# Altium PCB PCB_power.PcbDoc (part 1 of 2) (continued)
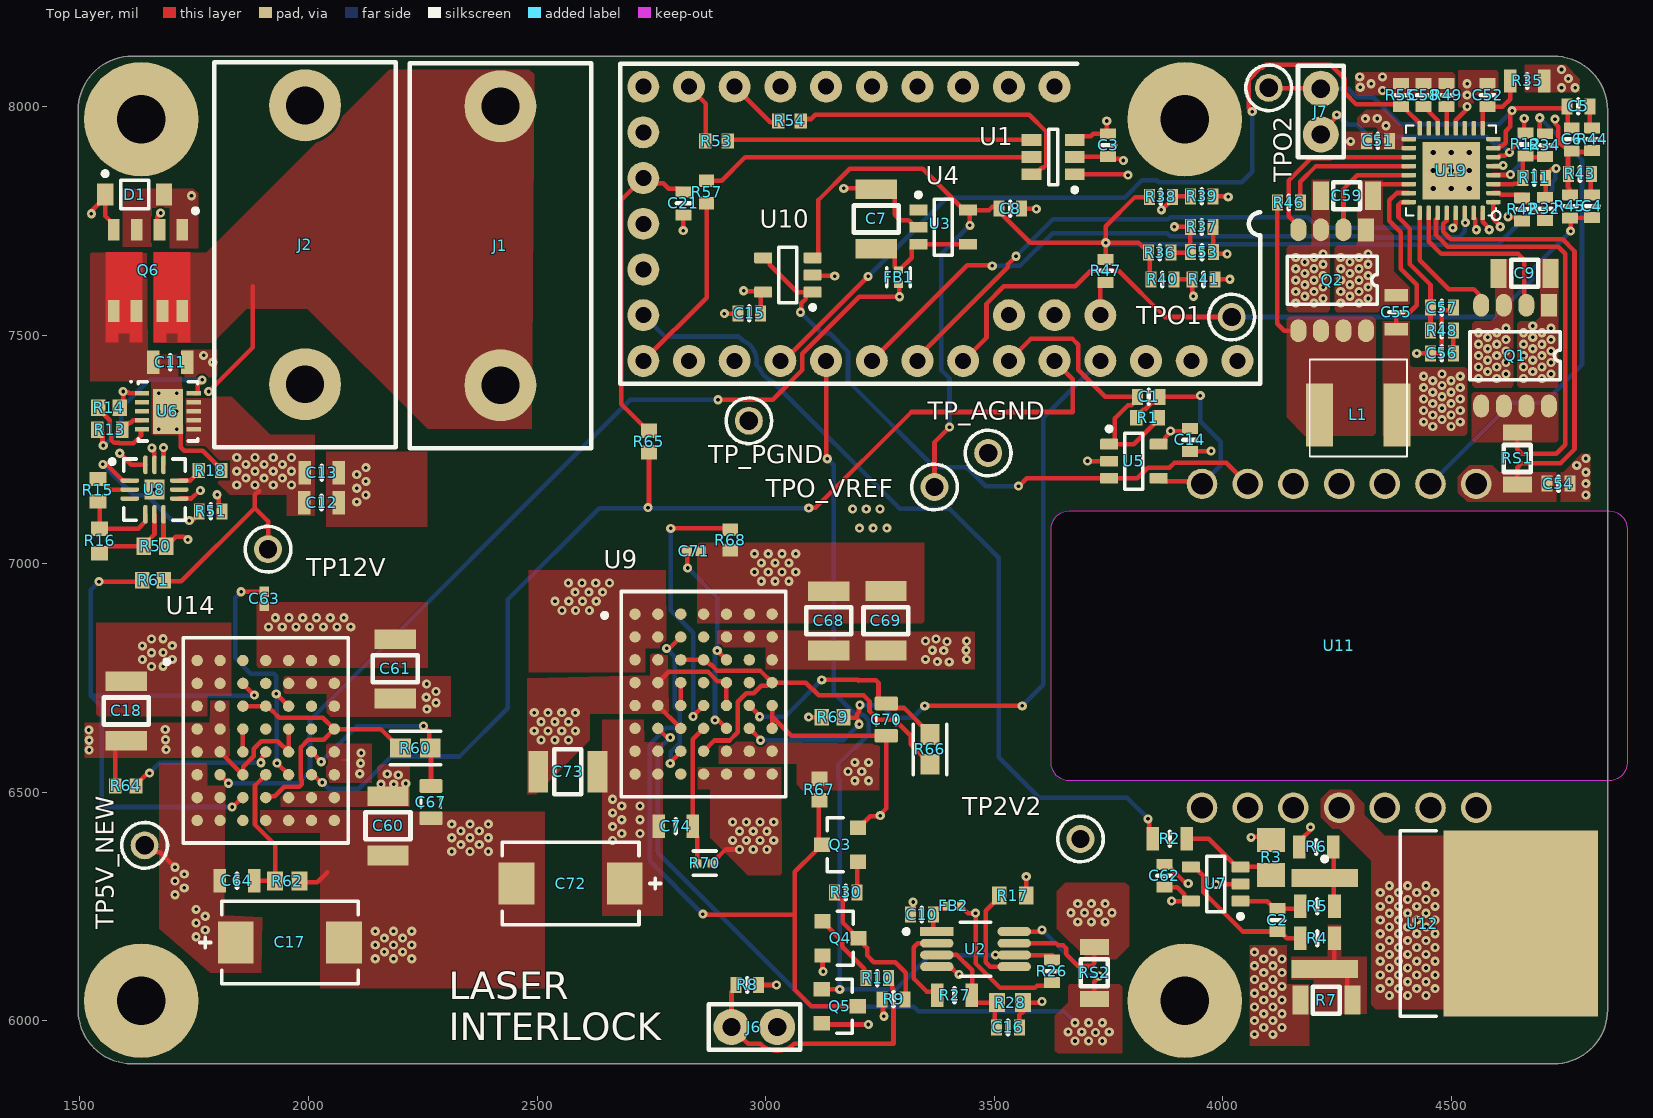
[diagram p0: Top Layer view]
## Components (designator, comment, footprint, x,y, rotation, side; value= is the part's Value field where it differs from the comment) (continued)
TP_PGND "5001" KSTN-5001 2963.5,7312.5 r90 top
TPO1 "5001" KSTN-5001 4020,7539.5 r270 top
TPO2 "5001" KSTN-5001 4101,8041 r180 top
TPO_VREF "5001" KSTN-5001 3369.71,7167.56 r270 top
U1 "DAC121S101CIMK/NOPB" MK06A_N 3629.31,7889.51 r180 top
U2 "INA202AIDGKT" FP-DGK0008A-IPC_A 3459.5,6156.5 r0 top
U3 "Teensy3.2_funny" Teensy32_funny 4032.5,8043.5 r270 top
U4 "LM4128BMF-2.5" DBV0005A_N#1 3388.5,7736 r0 top
U5 "LMP2021MFE/NOPB" DBV0005A_N#2 3806,7224 r0 top
U6 "NIS5420" SON50P300X10_HS-11N 1692.38,7333.29 r0 top
U7 "LMP2021MFE/NOPB" DBV0005A_N#2 3985,6299 r180 top
U8 "MAX16126TCA+T" T1233+4_N 1663,7162 r0 top
U9 "LTM4642EY#PBF" FP-BGA-56-05-08-1961-MFG 2864.5,6714.5 r0 top
U10 "LMP2021MFE/NOPB" DBV0005A_N#2 3049,7631.5 r180 top
U11 "EM33X" EM33X 4255,6820 r0 top
U12 "CSD18511KTTT" DPAK254P1510X470-3N 4485,6212.5 r0 top
U14 "LTM4642EY#PBF" FP-BGA-56-05-08-1961-MFG 1906.5,6613 r0 top
U19 "ADN8831ACPZ-REEL7" "LFCSP CP 32 7" 4500,7860 r180 top

## Footprints (in the part's own frame and the unit in brackets; to place one, negate y for a bottom-side part, rotate by r counter-clockwise, add the part's x,y. Pads: shape width x height; smd on the part's side, far side on the other; paste and mask are expansions set on the pad)
0603 [mil] "SMD 0603"
  rect 24x35 smd: 1(-25,0) 2(25,0)
  silkscreen extent 0,-15 0,15, body extent -31,-16 31,16, height 18
"0603 B" [mil] "SMD 0603 blue"
  rect 24x35 smd: 1(-25,0) 2(25,0)
  silkscreen extent 0,-15 0,15, body extent -31,-16 31,16, height 18
0805 [mm] "SMD 0805"
  rect 0.7x1.3 smd: 1(-0.95,0) 2(0.95,0)
  silkscreen extent 0,-0.38 0,0.38, body extent -1,-0.6 1,0.6, height 1.1
"0805 B" [mm] "SMD 0805 blue"
  rect 0.7x1.3 smd: 1(-0.95,0) 2(0.95,0)
  silkscreen extent 0,-0.38 0,0.38, body extent -1,-0.6 1,0.6, height 1.25
1206 [mil] "SMD 1206"
  rect 35x63 smd: 1(-57,0) 2(57,0)
  silkscreen extent -30,-30 30,30, body extent -60,-30 60,30, height 18
"1206 B" [mil] "SMD 1206"
  rect 35x63 smd: 1(-57,0) 2(57,0)
  silkscreen extent -30,-30 30,30, body extent -60,-30 60,30, height 45
1210 [mm] "SMD 1210"
  rect 1.1x2.3 smd: 1(-1.65,0) 2(1.65,0)
  silkscreen extent -0.75,-1.25 0.75,1.25, body extent -1.6,-1.25 1.6,1.25, height 1.3
"BANANA BK" [mm] "Multicomp 24.243.2"
  round 4 hole 2.1: 1(-7.75,0) 1(7.75,0)
  silkscreen extent -11.25,-5.05 10.15,5.05, body extent -11.25,-5.05 12.75,5.05, height 13
"BANANA RD" [mm] "Multicomp 24.243.1"
  round 4 hole 2.1: 1(-7.75,0) 1(7.75,0)
  silkscreen extent -11.25,-5.05 10.15,5.05, body extent -11.25,-5.05 12.75,5.05, height 13
CAPC0805(2012)145_L [mm] "Chip Capacitor, Body 2.0x1.2mm, Height 1.45mm, IPC High Density"
  rrect25% 0.76x1.3 smd: 1(-0.9,0) 2(0.89,0)
  silkscreen extent -0.3,-0.55 0.3,0.55, body extent -1,-0.6 1,0.6, height 1.45
CAPC1005X56X25LL10T15 [mm] "Chip Capacitor, 2-Leads, Body 1.10x0.60mm, IPC High Density"
  rect 0.58x0.54 smd: 1(-0.39,0) 2(0.39,0)
  body extent -0.55,-0.3 0.55,0.3, height 0.56
DBV0005A_N#1 [mm] "SOT23, 5-Leads, Body 3.05x1.75mm, Pitch 0.95mm, IPC Medium Density"
  rect 1x0.6 smd: 1(-1.375,0.95) 2(-1.375,0) 3(-1.375,-0.95) 4(1.375,-0.95) 5(1.375,0.95)
  silkscreen extent -1.5,-1.55 0.5,1.92, body extent -1.42,-1.46 1.42,1.46, height 1.08
DBV0005A_N#2 [mm] "SOT23, 5-Leads, Body 3.05x1.75mm, Pitch 0.95mm, IPC Medium Density"
  rrect17% 1x0.6 smd: 1(-1.375,0.95) 2(-1.375,0) 3(-1.375,-0.95) 4(1.375,-0.95) 5(1.375,0.95)
  silkscreen extent -1.5,-1.55 0.5,1.92, body extent -1.42,-1.46 1.42,1.46, height 1.08
DPAK254P1510X470-3N [mm] "D2-PAK, 3-Pads, Body 7.73x8.49mm (max), IPC Medium Density"
  rect 3.7x1 smd: 1(-6.65,2.54) 3(-6.65,-2.54)
  rect 8.6x10.35 smd: 2(4.25,0)
  silkscreen extent -6.77,-5.15 -0.45,5.15, body extent -6.72,-5.13 8.38,5.13, height 4.7
EM33X [mm] "Butterfly for GH High Power DFB Laser"
  round 1.7 hole 1.2: 1(7.62,9) 2(5.08,9) 3(2.54,9) 4(0,9) 5(-2.54,9) 6(-5.08,9) 7(-7.62,9) 8(-7.62,-9) 9(-5.08,-9) 10(-2.54,-9) 11(0,-9) 12(2.54,-9) 13(5.08,-9) 14(7.62,-9)
  Keep-Out Layer board cut-out: -16,6.5 -15.924,6.883 -15.707,7.207 -15.383,7.424 -15,7.5 -15,7.5 15,7.5 15.383,7.424 15.707,7.207 15.924,6.883 16,6.5 16,6.5 16,-6.5 15.924,-6.883 15.707,-7.207 15.383,-7.424 15,-7.5 15,-7.5 -15,-7.5 -15.383,-7.424 -15.707,-7.207 -15.924,-6.883 -16,-6.5 -16,-6.5
  Multi-Layer pour cut-out: -16.5,6.5 -16.386,7.074 -16.061,7.561 -15.574,7.886 -15,8 -15,8 15,8 15.574,7.886 16.061,7.561 16.386,7.074 16.5,6.5 16.5,6.5 16.5,-6.5 16.386,-7.074 16.061,-7.561 15.574,-7.886 15,-8 15,-8 -15,-8 -15.574,-7.886 -16.061,-7.561 -16.386,-7.074 -16.5,-6.5 -16.5,-6.5
  body extent -14.99,-6.95 31.91,6.95, height 7.15
FP-BGA-56-05-08-1961-MFG [mil]
  round 25 smd paste+0 mask+0: A1(-150,175) A2(-100,175) A3(-50,175) A4(0,175) A5(50,175) A6(100,175) A7(150,175) B1(-150,125) B2(-100,125) B3(-50,125) B4(0,125) B5(50,125) B6(100,125) B7(150,125) C1(-150,75) C2(-100,75) C3(-50,75) C4(0,75) C5(50,75) C6(100,75) C7(150,75) D1(-150,25) D2(-100,25) D3(-50,25) D4(0,25) D5(50,25) D6(100,25) D7(150,25) E1(-150,-25) E2(-100,-25) E3(-50,-25) E4(0,-25) E5(50,-25) E6(100,-25) E7(150,-25) F1(-150,-75) F2(-100,-75) F3(-50,-75) F4(0,-75) F5(50,-75) F6(100,-75) F7(150,-75) G1(-150,-125) G2(-100,-125) G3(-50,-125) G4(0,-125) G5(50,-125) G6(100,-125) G7(150,-125) H1(-150,-175) H2(-100,-175) H3(-50,-175) H4(0,-175) H5(50,-175) H6(100,-175) H7(150,-175)
  silkscreen extent -221,-224 180,224, body extent -200,-244 200,244, height 10
FP-BLM15-MFG [mm]
  rect 0.4x0.5 smd paste+0 mask+0: 1(-0.4,0) 2(0.4,0)
  silkscreen extent -0.53,-0.65 0.53,0.65, body extent -0.7,-0.38 0.7,0.38, height 0.25
FP-CRCW0402-e3-IPC_C [mil]
  rect 18.43x18.6 smd paste+0 mask+0: 1(-15.83,0) 2(15.83,0)
  silkscreen extent -25,-27 25,27, body extent -29,-15 29,15, height 10
FP-CRCW0603-HPe3-IPC_A [mil]
  rect 45.6x41.82 smd paste+0 mask+0: 1(-32.56,0) 2(32.56,0)
  silkscreen extent -55,-37 55,37, body extent -75,-41 75,41, height 10
FP-DGK0008A-IPC_A [mm]
  rect 1.857x0.498 smd paste+0 mask+0: 1(-2.151,0.975)
  rrect100% 1.857x0.498 smd paste+0 mask+0: 2(-2.151,0.325) 3(-2.151,-0.325) 4(-2.151,-0.975) 5(2.151,-0.975) 6(2.151,-0.325) 7(2.151,0.325) 8(2.151,0.975)
  silkscreen extent -3.98,-1.5 0.85,1.5, body extent -3.58,-2 3.58,2, height 0.25
FP-SOT23-MFG [mm]
  rect 0.9x0.8 smd paste+0 mask+0: 1(-1,0.95) 2(-1,-0.95) 3(1,0)
  silkscreen extent -0.18,-1.5 0.7,1.5, body extent -1.55,-1.6 1.55,1.6, height 0.25
FP-T491D476K025AT-MFG [mm]
  rect 1.99x2.33 smd paste+0 mask+0: 1(-3.01,0) 2(3.01,0)
  silkscreen extent -3.8,-2.3 5,2.3, body extent -4.13,-2.42 4.13,2.42, height 0.25
INF-PG-TDSON-8-4_V [mm] "SON, 8-Leads, Body 5.9x5.15mm, Pitch 1.27mm"
  rect 0.65x1.2 smd: 1(-1.905,-2.825) 2(-0.635,-2.825) 3(0.635,-2.825) 4(1.905,-2.825) 5(1.91,1.7) 6(0.64,1.7) 7(-0.8,1.7) 8(-1.9,1.7)
  Top Layer region: -2.35,3.425 -1.65,3.425 -1.65,2.925 -1.015,2.925 -1.015,3.425 -0.315,3.425 -0.315,-1.575 -2.35,-1.575
  Top Layer region: 2.35,3.425 1.65,3.425 1.65,2.925 1.015,2.925 1.015,3.425 0.315,3.425 0.315,-1.575 2.35,-1.575
  silkscreen extent -2.76,-3.99 -2.51,-3.74, body extent -2.58,-2.95 2.58,2.95, height 1
KSTN-5001 [mm] "Test Point, Through Hole, Dia 2.54mm"
  round 1.55 hole 1.016: 1(0,0)
  silkscreen extent -1.27,-1.27 1.27,1.27, body extent -1.25,-1.25 1.25,1.25, height 4.62
"LFCSP CP 32 7" [mm] "Analog devive package LFCSP CP 32 7"
  rrect50% 0.8x0.25 smd: 1(-2.35,1.75) 2(-2.35,1.25) 3(-2.35,0.75) 4(-2.35,0.25) 5(-2.35,-0.25) 6(-2.35,-0.75) 7(-2.35,-1.25) 8(-2.35,-1.75) 17(2.35,-1.75) 18(2.35,-1.25) 19(2.35,-0.75) 20(2.35,-0.25) 21(2.35,0.25) 22(2.35,0.75) 23(2.35,1.25) 24(2.35,1.75)
  rrect50% 0.25x0.8 smd: 9(-1.75,-2.35) 10(-1.25,-2.35) 11(-0.75,-2.35) 12(-0.25,-2.35) 13(0.25,-2.35) 14(0.75,-2.35) 15(1.25,-2.35) 16(1.75,-2.35) 25(1.75,2.35) 26(1.25,2.35) 27(0.75,2.35) 28(0.25,2.35) 29(-0.25,2.35) 30(-0.75,2.35) 31(-1.25,2.35) 32(-1.75,2.35)
  rect 3.2x3.2 smd paste-0.25: Pad(0,0)
  silkscreen extent -2.75,-2.5 2.5,2.75, body extent -2.5,-2.51 2.52,2.51, height 0.89
MK06A_N [mm] "SOT23, 6-Leads, Body 3.0x1.7mm, Pitch 0.95mm, Lead Span 2.9mm, IPC Medium Density"
  rect 1.1x0.65 smd: 1(-1.2,0.95) 2(-1.2,0) 3(-1.2,-0.95) 4(1.2,-0.95) 5(1.2,0) 6(1.2,0.95)
  silkscreen extent -1.33,-1.55 0.25,1.95, body extent -0.87,-1.53 0.87,1.54, height 1
ONSC-SOD-123-2-425-04_V [mm] "SOD, 2-Leads, Body 2.69x1.6mm"
  rect 0.91x1.22 smd: 1(-1.635,0) 2(1.635,0)
  silkscreen extent -1.76,-0.8 0.78,1.28, body extent -1.35,-0.8 1.35,0.8, height 1.35
RESC1608X55X25ML10T15 [mm] "Chip Resistor, 2-Leads, Body 1.60x0.80mm, IPC Low Density"
  rect 0.8x1 smd: 1(-0.75,0) 2(0.75,0)
  body extent -0.85,-0.45 0.85,0.45, height 0.55
RESC1608X55X25NL10T15 [mm] "Chip Resistor, 2-Leads, Body 1.70x0.90mm, IPC Medium Density"
  rect 0.7x0.9 smd: 1(-0.7,0) 2(0.7,0)
  body extent -0.85,-0.45 0.85,0.45, height 0.55
RESC1608X55X30LL15T15 [mm] "Chip Resistor, 2-Leads, Body 1.60x0.80mm, IPC High Density"
  rect 0.7x0.85 smd: 1(-0.625,0) 2(0.625,0)
  body extent -0.87,-0.48 0.87,0.48, height 0.55
RESC1608X55X30LL20T20 [mm] "Chip Resistor, 2-Leads, Body 1.60x0.80mm, IPC High Density"
  rect 0.8x0.9 smd: 1(-0.6,0) 2(0.6,0)
  body extent -0.9,-0.5 0.9,0.5, height 0.55
RESC1608X55X30ML15T15 [mm] "Chip Resistor, 2-Leads, Body 1.60x0.80mm, IPC Low Density"
  rect 0.9x1.05 smd: 1(-0.725,0) 2(0.725,0)
  body extent -0.87,-0.48 0.87,0.48, height 0.55
RESC1608X55X30NL15T15 [mm] "Chip Resistor, 2-Leads, Body 1.60x0.80mm, IPC Medium Density"
  rect 0.8x0.95 smd: 1(-0.675,0) 2(0.675,0)
  body extent -0.87,-0.48 0.87,0.48, height 0.55
RESC1609X50X30LL10T20 [mm] "Chip Resistor, 2-Leads, Body 1.55x0.85mm, IPC High Density"
  rect 0.7x0.85 smd: 1(-0.575,0) 2(0.575,0)
  body extent -0.82,-0.48 0.82,0.48, height 0.5
RESC1609X50X30ML10T20 [mm] "Chip Resistor, 2-Leads, Body 1.55x0.85mm, IPC Low Density"
  rect 0.9x1.05 smd: 1(-0.675,0) 2(0.675,0)
  body extent -0.82,-0.48 0.82,0.48, height 0.5
RESC1609X50X30NL10T20 [mm] "Chip Resistor, 2-Leads, Body 1.55x0.85mm, IPC Medium Density"
  rect 0.8x0.95 smd: 1(-0.625,0) 2(0.625,0)
  body extent -0.82,-0.48 0.82,0.48, height 0.5
RESC2013X70X40ML20T20 [mm] "Chip Resistor, 2-Leads, Body 2.00x1.25mm, IPC Low Density"
  rect 1.35x1.55 smd: 1(-0.975,0) 2(0.975,0)
  body extent -1.1,-0.72 1.1,0.72, height 0.7
SIL02 [mm] "1x2 2.54mm header"
  round 2 hole 1.02: 1(-1.27,0) 2(1.27,0)
  silkscreen extent -2.54,-1.27 2.54,1.27, body extent -2.54,-1.27 2.54,1.27, height 8.38
SO-8 [mm] "SO-8 large pads"
  rect 1.27x0.89 smd: 1(-2.8,1.875)
  oval 1.27x0.89 smd: 2(-2.8,0.623) 3(-2.8,-0.629) 4(-2.8,-1.881) 5(2.8,-1.881) 6(2.8,-0.629) 7(2.8,0.623) 8(2.8,1.875)
  silkscreen extent -1.33,-2.51 1.33,2.5, body extent -3,-2.45 3,2.45, height 1.7
SON50P300X10_HS-11N [mm] "SON, 10-Leads, Body 3.00x3.00mm, Pitch 0.50mm, Thermal Pad 2.50x1.68mm, IPC Medium Density"
  rect 0.8x0.25 smd: 1(-1.44,1) 2(-1.44,0.5) 3(-1.44,0) 4(-1.44,-0.5) 5(-1.44,-1) 6(1.44,-1) 7(1.44,-0.5) 8(1.44,0) 9(1.44,0.5) 10(1.44,1)
  rect 1.68x2.5 smd: 11(0,0)
  silkscreen extent -2.1,-1.65 1.65,1.7, body extent -1.5,-1.5 1.5,1.5, height 0.75
SRP0520 [mm] "Bourns SRP0520 series"
  rect 1.5x3.5 smd: 1(-2.15,0.39) 2(2.15,0.39)
  silkscreen extent -2.7,-2.7 2.7,2.7, body extent -2.55,-2.7 2.55,2.4, height 2
T1233+4_N [mm] "QFN, 12-Leads, Body 3x3mm, Pitch 0.5mm, Thermal Pad 1.1x1.1mm, IPC Medium Density"
  oval 1.05x0.25 smd: 1(-1.375,0.5) 2(-1.375,0) 3(-1.375,-0.5) 7(1.375,-0.5) 8(1.375,0) 9(1.375,0.5)
  oval 0.25x1.05 smd: 4(-0.5,-1.375) 5(0,-1.375) 6(0.5,-1.375) 10(0.5,1.375) 11(0,1.375) 12(-0.5,1.375)
  rect 1.1x1.1 smd: 13(0,0)
  silkscreen extent -2.47,-1.7 1.7,1.7, body extent -1.55,-1.55 1.55,1.55, height 0.8
Teensy32_funny [mil]
  round 70 hole 35: 5(0,-400) 6(0,-500) 7(0,-600) 8(0,-700) 9(0,-800) 10(0,-900) 11(0,-1000) 12(0,-1100) 13(0,-1200) 14(0,-1300) 15(600,-1300) 16(600,-1200) 17(600,-1100) 18(600,-1000) 19(600,-900) 20(600,-800) 21(600,-700) 22(600,-600) 23(600,-500) 24(600,-400) 25(600,-300) 26(600,-200) 27(600,-100) 28(600,0) 29(100,-1300) 30(200,-1300) 31(300,-1300) 32(400,-1300) 33(500,-1300) 34(500,-500) 35(500,-400) 36(500,-300)
  silkscreen extent -50,-1350 650,50, body extent -50,-1350 654,107, height 503

## Part data
C1: library part "CAP 0603", "Cap Ceramic 120pF 50V C0G 5% SMD 0603 125°C Paper T/R", Case Code (Imperial)=0603, Case Code (Metric)=1608, Dielectric=C0G, Dielectric Material=Ceramic, Manufacturer=KEMET, Manufacturer Part Number=C0603C121J5GACTU, Max Operating Temperature=125°C, Min Operating Temperature=-55°C, Package Quantity=1, Supplier Part Number 1=399-C0603C121J5GAC7867CT-ND, Temperature Coefficient=30ppm/°C, Tolerance=5%, Voltage=50V, Capacitance=120pF, Case/Package=0603, Category="Ceramic Capacitors", ComponentLink1Description=https://datasheet.ciiva.com/144/docfinderpartnumber-c0603c121j5gactu-144406.pdf?src-supplier=Digi-Key, ComponentLink1URL=https://datasheet.ciiva.com/144/docfinderpartnumber-c0603c121j5gactu-144406.pdf?src-supplier=Digi-Key, ComponentLink2Description=https://datasheet.ciiva.com/14610/70095383-14610090.pdf?src-supplier=Allied+Electronics, ComponentLink2URL=https://datasheet.ciiva.com/14610/70095383-14610090.pdf?src-supplier=Allied+Electronics, ComponentLink3Description=https://datasheet.ciiva.com/5417/kem-c1003-c0g-smd-356956-5417613.pdf?src-supplier=Mouser, ComponentLink3URL=https://datasheet.ciiva.com/5417/kem-c1003-c0g-smd-356956-5417613.pdf?src-supplier=Mouser, ComponentLink4Description=https://datasheet.ciiva.com/18192/getdatasheetpartid-462848-18192773.pdf?src-supplier=Verical, ComponentLink4URL=https://datasheet.ciiva.com/18192/getdatasheetpartid-462848-18192773.pdf?src-supplier=Verical, Construction=Flat, Contact Material=Tin, Contact Plating=Tin,Matte, Depth=0.8mm, Dissipation Factor=0.1%, Height=0.8mm, Lead Free="Lead Free", Lead Pitch=0.7mm, Length=1.6mm, Mount="Surface Mount,PCB", Number of Pins=2, Packaging="Tape and Reel", Pricing 1="1=0.10000, 10=0.04900, 50=0.02660, 100=0.02180, 500=0.01556, 1000=0.01222 (USD)", Radiation Hardening=No, Reach SVHC Compliant=Yes, RoHS=Yes, RoHS Compliant=Yes, Series=C, Stock 1=134212, Supplier 1=Digi-Key, Termination=SMD/SMT, Thickness=0.034inch, Voltage Rating=50V, Voltage Rating (DC)=50V, Width=0.8mm
C2 C3 C4 C5 C6 C8 C10 C14 C15 C16 C51 C52 C53 C54 C56 C57 C58 C62: library part "CAP 0603", "603 Capacitor"
C7 C18 C60 C61 C68 C69 C73: library part "CAP 1210", "1210 Capacitor"
C9 C59: library part "CAP 1206", "1206 Capacitor"
C11 C12 C13: library part "CAP 0805", "805 Capacitor", Voltage=35V, Type=X7R
C17 C72: library part CMP-03017-000020-1, "CAP TANT 47UF 10% 25V 2917", Capacitance=47uF, Case Code (Imperial)=2917, Case Code (Metric)=7343, Dielectric Material=Tantalum, ESR (Equivalent Series Resistance)=700mR, Leakage Current=11.8uA, Manufacturer=KEMET, Manufacturer Part Number=T491D476K025AT, Max Operating Temperature=125°C, Min Operating Temperature=-55°C, Package Quantity=1, Ripple Current=463mA, Supplier Part Number 1=399-8391-1-ND, Tolerance=10%, Voltage=25V, Case/Package=2917, Category="Tantalum Capacitors", ComponentLink1Description=https://datasheet.ciiva.com/5934/1776112-5934658.pdf?src-supplier=Farnell, ComponentLink1URL=https://datasheet.ciiva.com/5934/1776112-5934658.pdf?src-supplier=Farnell, ComponentLink2Description=https://datasheet.ciiva.com/27052/1574532-27052600.pdf?src-supplier=Jameco, ComponentLink2URL=https://datasheet.ciiva.com/27052/1574532-27052600.pdf?src-supplier=Jameco, ComponentLink3Description=https://datasheet.ciiva.com/8079/kem-t2005-t491-8079804.pdf?src-supplier=Element14, ComponentLink3URL=https://datasheet.ciiva.com/8079/kem-t2005-t491-8079804.pdf?src-supplier=Element14, ComponentLink4Description=https://datasheet.ciiva.com/7758/1776112-7758986.pdf?src-supplier=Element14, ComponentLink4URL=https://datasheet.ciiva.com/7758/1776112-7758986.pdf?src-supplier=Element14, ComponentLink5Description=https://datasheet.ciiva.com/7758/1776112-7758987.pdf?src-supplier=Element14, ComponentLink5URL=https://datasheet.ciiva.com/7758/1776112-7758987.pdf?src-supplier=Element14, ComponentLink6Description=https://datasheet.ciiva.com/7758/1446014-7758989.pdf?src-supplier=Element14, ComponentLink6URL=https://datasheet.ciiva.com/7758/1446014-7758989.pdf?src-supplier=Element14, ComponentLink7Description=https://datasheet.ciiva.com/22698/1854511-22698959.pdf?src-supplier=Element14, ComponentLink7URL=https://datasheet.ciiva.com/22698/1854511-22698959.pdf?src-supplier=Element14, ComponentLink8Description=https://datasheet.ciiva.com/7758/1698764-7758988.pdf?src-supplier=Element14, ComponentLink8URL=https://datasheet.ciiva.com/7758/1698764-7758988.pdf?src-supplier=Element14, ComponentLink9Description=https://datasheet.ciiva.com/6246/kem-t2005-t491-6246794.pdf?src-supplier=Digi-Key, ComponentLink9URL=https://datasheet.ciiva.com/6246/kem-t2005-t491-6246794.pdf?src-supplier=Digi-Key, ComponentLink10Description=https://datasheet.ciiva.com/6246/kem-t2005-t491-6246791.pdf?src-supplier=Digi-Key, ComponentLink10URL=https://datasheet.ciiva.com/6246/kem-t2005-t491-6246791.pdf?src-supplier=Digi-Key, ComponentLink11Description=https://datasheet.ciiva.com/6246/kem-t2005-t491-6246799.pdf?src-supplier=Digi-Key, ComponentLink11URL=https://datasheet.ciiva.com/6246/kem-t2005-t491-6246799.pdf?src-supplier=Digi-Key, ComponentLink12Description=https://datasheet.ciiva.com/18094/getdatasheetpartid-44077-18094583.pdf?src-supplier=Verical, ComponentLink12URL=https://datasheet.ciiva.com/18094/getdatasheetpartid-44077-18094583.pdf?src-supplier=Verical, Construction=Flat, Depth=4.3mm, Dissipation Factor=10%, Failure Rate=0.001%, Features="General Purpose", Height=2.8mm, Height - Seated (Max)=0.122inch, Lead Free="Lead Free", Length=7.3mm, Life (Hours)=2000Hour, Mount="Surface Mount", Number of Pins=2, Packaging="Tape and Reel", Polarity=Polar, Pricing 1="1=1.63000, 10=1.29000, 50=1.11840, 100=0.96780 (USD)", Radiation Hardening=No, REACH SVHC="No SVHC", Reach SVHC Compliant=Yes, RoHS=Yes, RoHS Compliant=Yes, Series=T491, Size=2.8mm, Stock 1=66410, Supplier 1=Digi-Key, Termination=SMD/SMT, Voltage Rating=25V, Voltage Rating (DC)=25V, Weight=0.023634oz, Width=4.3mm
C21: library part "CAP 0603", "603 Capacitor", Rating=X7R, Voltage=10V, Ref=C1608X7R1E105M080AB
C55 C64 C74: library part "CAP 0805", "805 Capacitor"
C63 C71: library part CMP-001-00001-6, "Chip Capacitor, 0.1 uF, +/- 5%, 16 V, 0402 (1005 Metric)", Capacitor Type=Ceramic, Case/Package=0402, Max Operating Temperature=125°C, Min Operating Temperature=-55°C, Tolerance=5%, Voltage Rating=16V, Mounting Technology=SM, Pins=2, RoHS Compliant=True
C67 C70: library part CMP-001-00080-4, "Chip Capacitor, 4.7µF +/-40%, 25V, 0805, Thickness 1.45 mm", Case/Package=0805, Max Operating Temperature=85°C, Min Operating Temperature=-55°C, Tolerance=20%, Voltage Rating=25V, Mounting Technology=SMT, Pins=2
D1: library part CMP-1060-00434-1, "Zener Voltage Regulator, 500 mW, 2-Pin SOD-123, Pb-Free, Tape and Reel", Manufacturer="On Semiconductor", Supplier Part Number 1=MMSZ4692T1GOSCT-ND, ComponentLink1Description="Manufacturer URL", ComponentLink1URL=http://www.onsemi.com/, ComponentLink2Description=Datasheet, ComponentLink2URL=http://www.onsemi.com/pub_link/Collateral/MMSZ4678T1-D.PDF, ComponentLink3Description="Package Specification", ComponentLink3URL=http://www.onsemi.com/pub_link/Collateral/425-04.PDF, DatasheetVersion="Rev. 9", Mounting Technology="Surface Mount", P Max (W)=0.5, PackageDescription="2-Pin SOD, Body 1.6 x 2.69 mm", PackageReference=SOD-123-2-425-04, PackageVersion="Rev. G, 10/2009", Packing="Tape and Reel", PartNumber=MMSZ4692T1G, RoHS=Pb-Free, Supplier 1=Digi-Key, VZ Typ (V)=6.8
FB1 FB2: library part CMP-0686-00181-4, "FERRITE BEAD 1 KOHM 0402 1LN", 3DS Part Number=310-00007, Impedance At Frequency="1kΩ @ 100MHz", Manufacturer=Murata, Package=BLM15, Rms Current=300mA, Series Resistance=650mΩ, Temperature="-55°C to +125°C", Temperature Range High=+125°C, Temperature Range Low=-55°C, Test Frequency=100MHz, Tolerance=25%, Automotive=No, Category=FBead, ComponentLink2Description=Datasheet, ComponentLink2URL=https://www.murata.com/en-us/products/productdata/8796740059166/ENFA0018.pdf?1514431813000, Core Material=Ferrite, Device Class L1="Passive Components", Device Class L2="EMI / RFI Components", Device Class L3="Ferrite Beads and Chips", Digikey Description="FERRITE BEAD 1 KOHM 0402 1LN", Height=0.55mm, Ipc Land Pattern Name=CAPC10050X50, Lead Free=Yes, Manufacturer Part Number=BLM15AG102SN1D, Mouser Description="Ferrite Beads 1K OHM HIGH SPEED SI", Octopart=https://octopart.com/blm15ag102sn1d-murata-368316, RoHS=TRUE
J1: library part "BANANA RED", "Banana jack, PCB mount right angle", Ref=24.243.1
J2: library part "BANANA BLACK", "Banana jack, PCB mount right angle", Ref=24.243.2
J6 J7: "Conn Unshrouded Header HDR 2 POS 2.54mm Solder ST Top Entry Thru-Hole Bag", Color=Black, Flammability Rating="UL94 V-0", Manufacturer=Samtec, Manufacturer Part Number=TSW-102-07-F-S, Max Current Rating=7.6A, Max Operating Temperature=125°C, Max Voltage Rating (AC)=550V, Min Operating Temperature=-55°C, Package Quantity=1, Supplier Part Number 1=SAM10844-ND, Category="Headers and Wire Housings", ComponentLink1Description=https://datasheet.ciiva.com/739/tsw-xxx-xx-xxx-x-xx-xxx-mkt-739881.pdf?src-supplier=Digi-Key, ComponentLink1URL=https://datasheet.ciiva.com/739/tsw-xxx-xx-xxx-x-xx-xxx-mkt-739881.pdf?src-supplier=Digi-Key, ComponentLink2Description=https://datasheet.ciiva.com/10281/htsw-th-10281262.pdf?src-supplier=Avnet, ComponentLink2URL=https://datasheet.ciiva.com/10281/htsw-th-10281262.pdf?src-supplier=Avnet, Connector Type=Header, Contact Finish - Mating=GOLD, Contact Material=Bronze, Contact Mating Length=0.23inch, Contact Plating=Gold, Contact Shape=Square, Contact Type="Male Pin", Depth=2.54mm, Fastening Type=Pull, Gender=Male, Housing Color=Black, Housing Material=Polyester, Insulation Color=Black, Insulation Material=PBT, Length=5.08mm, Mount="Through Hole", Number of Contacts=2, Number of Positions=2, Number of Rows=1, Orientation=Straight, Packaging=Bag, Pitch=2.54mm, Pricing 1="1=0.30000, 10=0.25500, 100=0.19800, 500=0.16968, 1000=0.14140, 5000=0.12120, 10000=0.11312 (USD)", Radiation Hardening=No, Reach SVHC Compliant=Yes, Ref="4x1 2.54MM HEADER", RoHS=Yes, RoHS Compliant=Yes, Series=TSW, Stock 1=35041, Supplier 1=Digi-Key, Termination=Solder
L1: library part "IND 3.3uH 4.8A SMD", "Bourns SRP0520 3.3uH 4.8A Inductor", Ref=IHLP3232DZER330M11
Q1 Q2: library part DMC3021LSD, "Trans Mosfet N/p-ch 30V 8.5A/7A 8-PIN SOIC T/r", Case/Package=SOIC, Continuous Drain Current (ID)=8.5A, Drain To Source Resistance=14mR, Drain to Source Voltage (Vdss)=30V, Gate to Source Voltage (Vgs)=20V, Input Capacitance=767pF, Manufacturer=Diodes, Manufacturer Part Number=DMC3021LSD-13, Max Operating Temperature=150°C, Max Power Dissipation=2.5W, Min Operating Temperature=-55°C, Package Quantity=2500, Category=MOSFETs, ComponentLink1Description=https://datasheet.ciiva.com/4443/ds32152-88645-4443219.pdf?src-supplier=Mouser, ComponentLink1URL=https://datasheet.ciiva.com/4443/ds32152-88645-4443219.pdf?src-supplier=Mouser, ComponentLink2Description=https://datasheet.ciiva.com/928/ds32152-928775.pdf?src-supplier=Digi-Key, ComponentLink2URL=https://datasheet.ciiva.com/928/ds32152-928775.pdf?src-supplier=Digi-Key, ComponentLink3Description=https://datasheet.ciiva.com/928/ds32152-928776.pdf?src-supplier=Digi-Key, ComponentLink3URL=https://datasheet.ciiva.com/928/ds32152-928776.pdf?src-supplier=Digi-Key, ComponentLink4Description=https://datasheet.ciiva.com/928/ds32152-928777.pdf?src-supplier=Digi-Key, ComponentLink4URL=https://datasheet.ciiva.com/928/ds32152-928777.pdf?src-supplier=Digi-Key, FET Type="N and P-Channel", Height=1.5mm, Length=4.95mm, Mount="Surface Mount", Number of Channels=2, Number of Elements=2, Number of Pins=8, Packaging="Tape and Reel", Polarity=N-CHANNEL,P-CHANNEL, Power Dissipation=2.5W, Pricing 1="1=0,52330, 10=0,42450, 25=0,42030, 100=0,30620, 250=0,30310, 500=0,23740, 1000=0,20330 (USD)", Radiation Hardening=No, Rds On Max=21mR, REACH SVHC="No SVHC", RoHS=Yes, RoHS Compliant=Yes, Series=-, Stock 1=2500, Supplier 1="Arrow Electronics", Supplier Part Number 1=DMC3021LSD-13, Turn-Off Delay Time=50.1ns, Weight=0.00261oz, Width=3.95mm
Q3 Q4 Q5: library part CMP-12801-000047-1, "MOSFET N-CH 60V 1.6A SOT23", Continuous Drain Current=1.6A, Drain To Source Breakdown Voltage=60V, Drain To Source Resistance=92mΩ, Gate To Source Voltage=20V, Input Capacitace At Vds="315pF @ 40V", Manufacturer="Diodes Inc.", Max Forward Diode Voltage=1V, Max Junction Temp=+150°C, Package=SOT23, Power Dissipation=0.7W, Pulse Drain Current=10A, Temperature="-55°C to +150°C", Temperature Range Low=-55°C, Typ Forward Diode Voltage=0.75V, Automotive=No, Category=Trans, ComponentLink2Description=Datasheet, ComponentLink2URL=https://www.diodes.com/assets/Datasheets/DMN6140L.pdf, Depletion Mode=False, Device Class L1="Discrete Semiconductors", Device Class L2=Transistors, Device Class L3=MOSFETs, Digikey Description="MOSFET N-CH 60V 1.6A SOT23", Drain To Source Voltage=60V, Footprint Url=https://www.diodes.com/assets/Package-Files/SOT23.pdf, Gate Charge At Vgs="8.6nC @ 10V", Height=1.1mm, Lead Free=Yes, Manufacturer Part Number=DMN6140L-13, Mouser Description="MOSFET 31V to 99V N-Ch FET 60Vds 20Vgs 2.3A", Number of Channels=1, Number Of N Channels=1, Octopart=https://octopart.com/dmn6140l-13-diodes+inc.-38898616, Reverse Recovery Charge=9nC, Reverse Recovery Time=16.8ns, RoHS=TRUE, Rthja Max=183°C/W, Standoff Height=0.013mm, Supplier 1=Digi-Key, Supplier 2=Digi-Key, Supplier Part Number 2=FDN86501LZCT-ND, Temperature Range High=+150°C, Threshold Vgs Max=3V, Threshold Vgs Min=1V, Turn Off Delay Time=16.3ns, Turn On Delay Time=2.6ns
Q6: library part CMP-1090-00073-1, "N-Channel OptiMOS 3 Power-Transistor, 30 V VDS, 20 A ID, -55 to 150 degC, PG-TDSON-8-4, Reel, Green", Manufacturer=Infineon, ComponentLink1Description="Manufacturer URL", ComponentLink1URL=http://www.infineon.com/, ComponentLink2Description=Datasheet, ComponentLink2URL=http://www.infineon.com/dgdl/BSC150N03LD_rev1.4.pdf?folderId=db3a304313b8b5a60113cee8ed2a02db&fileId=db3a304316f66ee80116fb504a5d729f, ComponentLink3Description="Package Specification", ComponentLink3URL=http://www.infineon.com/cms/packages/SMD_-_Surface_Mounted_Devices/P-PG-TDSON/P-PG-TDSON-08-04.html?__locale=en, DatasheetVersion="Rev. 1.4", Green=TRUE, Halogen-free=TRUE, ID (max)="20Â A", IDpuls (max)="80Â A", Mounting Technology="Surface Mount", PackageDescription="8-Pin Plastic (Green) Thin Dual Small Outline Non-Leaded Package, 5.15 x 5.9 mm Body, 1.27 mm Pitch", PackageReference=PG-TDSON-8-4, PackageVersion="Rev. 03", Packing=Reel, PartNumber="BSC150N03LD G", Polarity=N, Ptot (max)="26Â W", QG="4.8Â nC", RDS (on) (max)="15Â mOhm", RDS (on) (max) (@4.5V)="22Â mOhm", Rth="4.9Â K/W", RthJA (max)="35 K/W", RthJC (max)="4.9Â K/W", VDS (max)="30Â V", VGS(th) (max)="2.2Â V", VGS(th) (min)="1Â V"
R1 R18 R53 R54 R57: library part CMP-2000-00179-1, Manufacturer=Panasonic, Part Number=ERJ-3EKF1000V
R2 R4 R5 R6 R27 R35: library part "RES 0805", "805 Resistor"
R3: library part CMP-2001-00533-1, Manufacturer=Panasonic, Part Number=ERJ6ENF3301V, Resistance="3.3 kΩ"
R7: library part "RES 1206", "1206 Resistor"
R8 R9 R10 R11 R12 R26 R30 R32 R34 R36 R37 R38 R39 R40 R41 R42 R43 R44 R45 R46 R47 R48 R49 R51 R55: library part "RES 0603", "603 Resistor"
R13: library part CMP-1659-00008-4, "Chip Resistor, 10 Ohm, +/- 1%, 0.1 W, -55 to 155 degC, 0603 (1608 Metric), RoHS, Tape and Reel", Manufacturer=Yageo, Max Operating Temperature="155 degC", Min Operating Temperature="-55 degC", Package Quantity=200, Voltage Rating="50 V", ComponentLink1Description="Manufacturer URL", ComponentLink1URL=http://www.yageo.com/, ComponentLink2Description=Datasheet, ComponentLink2URL=http://www.yageo.com/documents/recent/PYu-RC_Group_51_RoHS_L_04.pdf, ComponentLink3Description="Package Specification", ComponentLink3URL=http://www.farnell.com/datasheets/443971.pdf, DatasheetVersion="Rev. 4, 02/2016", Height="0.45 mm", Length="1.6 mm", Mount="Surface Mount", Mounting Technology="Surface Mount", PackageDescription="2-Pin Surface Mount Device, Body 1.6 x 0.8 mm", PackageReference=0603, Packaging="Tape and Reel", Pins=2, REACH SVHC="No SVHC", RoHSCompliant=true
R14 R61 R65 R67 R69: library part CMP-2000-00873-1, Manufacturer=Panasonic, Part Number=ERA3AEB102V
R15: library part CMP-2000-03611-1, Manufacturer="Vishay Dale", Part Number=CRCW060384K5FKEA
R16: library part CMP-2000-00600-1, Manufacturer=Panasonic, Part Number=ERJ-3EKF6341V
R17: library part CMP-2100-03667-1, "Chip Resistor, 0 Ohm, +/- 5%, 0.1 W, -55 to 155 degC, 0603 (1608 Metric), RoHS, Tape and Reel", Case Code (Imperial)=0603, Case Code (Metric)=1608, Manufacturer=Yageo, Max Operating Temperature=155degC, Min Operating Temperature=-55degC, Package Description="2-Pin Surface Mount Device, Body 1.6 x 0.8 mm", Package Quantity=5000, Power Rating=100mW, Resistance=0mOhm, Temperature Coefficient=200ppm/degreesC, Tolerance=5%, Voltage Rating=50V, Case/Package=0603, Composition=ThickFilm, Contact Plating=Tin, Datasheet URL=http://www.yageo.com/NewPortal/yageodocoutput?fileName=/pdf/R-Chip/PYu-RC_Group_51_RoHS_L_5.pdf, Datasheet Version="Rev. 5, 10/2016", Depth=0.8mm, Height=0.45mm, Lead Free=LeadFree, Length=1.6mm, Manufacturer URL=http://www.yageo.com/, Military Standard=Not, Number of Pins=2, Package Reference=0603, Packaging=TapeandReel, Radiation Hardening=No, REACH SVHC=NoSVHC, RoHSCompliant=true, Termination=SMD/SMT, Voltage Rating (DC)=50V, Width=0.8mm
R28: library part CMP-2000-00317-1, Manufacturer=Panasonic, Part Number=ERJ-3EKF2001V
R50 R62: library part CMP-2000-03620-1, Manufacturer="Vishay Dale", Part Number=CRCW06038K20FKEA
R60 R66: library part CMP-02407-007534-1, "RES Thick Film, 2.2Ω, 1%, 0.33W, 100ppm/°C, 0603", Case Code (Imperial)=0603, Case Code (Metric)=1608, Max Operating Temperature=155°C, Max Power Dissipation=250mW, Min Operating Temperature=-55°C, Package Quantity=5000, Resistance=2.2R, Temperature Coefficient=100ppm/°C, Tolerance=1%, Case/Package=0603, Composition="Thick Film", Contact Plating=Tin, Depth=0.85mm, Features="Automotive AEC-Q200", Height=0.022inch, Lead Free="Lead Free", Length=1.6mm, Mount="Surface Mount", Number of Terminations=2, Packaging="Tape and Reel", Power Rating=250mW, Radiation Hardening=No, Termination=Solder, Width=0.033inch
R64 R68: library part CMP-2000-03236-1, Manufacturer="Vishay Dale", Part Number=CRCW060332K4FKEA
R70: library part CMP-1011-00661-5, "RES Thick Film, 22.6kΩ, 1%, 0.063W, 100ppm/°C, 0402", Case Code (Imperial)=0402, Case Code (Metric)=1005, Max Operating Temperature=155°C, Max Power Dissipation=63mW, Min Operating Temperature=-55°C, Package Quantity=10, Resistance=22.6kR, Temperature Coefficient=100ppm/°C, Tolerance=1%, Voltage Rating=50V, Case/Package=0402, Composition="Thick Film", Contact Plating=Tin, Depth=0.5mm, Features="Automotive AEC-Q200", Height=0.35mm, Length=1mm, Military Standard=Not, Number of Pins=2, Number of Terminations=2, Packaging="Tape and Reel", Power Rating=63mW, Radiation Hardening=No, Termination=SMD/SMT, Weight=2.3E-05oz, Width=0.02inch
RS1 RS2: library part "RES 1206", "1206 Resistor", Supplier Part Number 1=P.010AUCT-ND, Supplier 1=Digi-Key
TP2V2 TP5V_NEW TP12V TP_AGND TP_PGND TPO1 TPO2 TPO_VREF: library part CMP-2000-05181-1, "Test Point, Black, 1-Pin THD, RoHS, Bulk", Alternate Color="5004K-ND / -TESTPOINTPCMINI.040\"DYELLOW / 5003K-ND / -TESTPOINTPCMINI.040\"DORANGE / 5002K-ND / -TESTPOINTPCMINI.040\"DWHITE / 5000K-ND / -TESTPOINTPCMINI.040\"DRED", Color=Black, Manufacturer=Keystone, Standard Package=100, Catalog Drawings=5000Series, Category=TestandMeasurement, Datasheet URL=https://ciiva.com/datasheet-click-2917627?src=ciiva&sig=bd195616, Datasheet Version="Rev. G, 12/2008", Family=TestPoints, Kits="DKTGRS232C-KIT-ND / -TTLCONVERTER", Manufacturer URL=http://www.keyelco.com/, Material=Base,Nylon46,UL94V-0, Mounting Type="0.040\"(1.02mm)HoleDiameter", Online Catalog=ColorCodedTestPoints, Other Names=5001K, Packaging=Bulk, RoHS Information=RoHSComplianceStatement, Series=THM, Terminal="0.010\"x0.020\"(0.25mmx0.51mm)PhosphorBronzeWire,SilverPlated", Type=PCTestPoint,Miniature
U1: library part CMP-0061-00064-2, "12-Bit Micro Power, RRO Digital-to-Analog Converter, 6-pin Tiny SOT23, Pb-Free", Manufacturer="National Semiconductor", PackageTopMarking=X61C*XTT, PowerWise=Y, Code_IPC=SOT26A-6, Code_JEDEC=MO-193-AA, ComponentLink1Description="DAC121S101 Datasheet", ComponentLink1URL=http://www.national.com/ds/DA/DAC121S101.pdf, ComponentLink2Description="DAC121S101 Web Page", ComponentLink2URL=http://www.national.com/pf/DA/DAC121S101.html, ComponentLink3Description="MK06A Package Page", ComponentLink3URL=http://www.national.com/packaging/folders/mk06a.html, CompType="D/A Converter", DatasheetVersion=Feb-2010, PackageDescription="Molded TSOT, 2.97 x 1.65 x 0.87mm Body, 6 Lead, 0.95mm Pitch", PackageReference=MK06A, PackageVersion="revE, Nov-2008", PinCount=6, RevisionNote="Component URLs added", RoHS=Y
U2: library part CMP-04896-000066-1, "IC CURRENT MONITOR 3.5% 8VSSOP", Case/Package=VSSOP, Max Operating Temperature=125°C, Max Supply Voltage=18V, Min Operating Temperature=-40°C, Min Supply Voltage=2.7V, Operating Supply Current=1.85mA, Package Quantity=1, Accuracy=3.5%, Bandwidth=300kHz, Lead Free="Lead Free", Mount="Surface Mount", Number of Pins=8, Packaging="Tape and Reel", Radiation Hardening=No, RoHS Compliant=Yes, Series=-, Weight=0.000935oz
U4: library part CMP-0074-00275-3, "Precision Micropower Series Voltage Reference, 5-pin SOT-23", Manufacturer="Texas Instruments", PackageTopMarking=R5CB*XTT, PowerWise=Y, ComponentLink1Description=Datasheet, ComponentLink1URL=http://www.ti.com/general/docs/lit/getliterature.tsp?genericPartNumber=LM4128&fileType=pdf, CompType="Voltage Reference IC", DatasheetVersion=Nov-2006, PackageDescription="Molded SOT-23, .115 x .063 x .040 in Body, 5 Lead, .0375 in Pitch", PackageReference=DBV0005A, PackageVersion="revD, Aug-2008", PinCount=5, RevisionNote="Component URLs added", RoHS=N
U5 U7 U10: library part CMP-0055-01233-3, "Zero Drift, Low Noise, EMI Hardened Amplifier, 5-pin SOT-23, Pb-Free", Manufacturer="Texas Instruments", Package Reference=DBV0005A, PackageTopMarking=AF5A*XTT, PowerWise=N, ComponentLink1Description="Datasheet URL", ComponentLink1URL=http://www.ti.com/general/docs/lit/getliterature.tsp?genericPartNumber=LMP2021&fileType=pdf, CompType=Amplifiers, PackageDescription="Molded SOT-23, .115 x .063 x .040 in Body, 5 Lead, .0375 in Pitch", PinCount=5, RoHS=Y
U8: library part CMP-0251-00243-1, "Load-Dump/Reverse-Voltage Protection Circuit, switch-mode fault management, 12-Pin TQFN-EP, -40°C to +125°C, Pb-Free, Tape and Reel", Code_JEDEC=MO-220WEED-1, ComponentLink1Description="Manufacturer URL", ComponentLink1URL=http://www.maxim-ic.com, ComponentLink2Description=Datasheet, ComponentLink2URL=http://datasheets.maxim-ic.com/en/ds/MAX16126-MAX16127.pdf, ComponentLink3Description="Package Specification", ComponentLink3URL=http://pdfserv.maxim-ic.com/package_dwgs/21-0136.PDF, DatasheetVersion="Rev 0, Nov-2011", PackageDescription="12-Pin Thin Quad Flatpack, No Leads, 3 x 3 x 0.75 mm Body, 0.5 mm Pitch, TQFN, Pb-Free", PackageReference=T1233+4, PackageVersion="revJ, 2010"
U9 U14: library part CMP-09139-000068-1, "DC DC CNVRTR 0.6-5.5V 0.6-5.5V", Case/Package=BGA, Current - Output 1=4A, Max Input Voltage=20V, Max Operating Temperature=125°C, Min Input Voltage=4.5V, Min Operating Temperature=-40°C, Switching Frequency=1.4MHz, Voltage - Output 1=5.5V, Current - Output 2=4A, Features=UVLO, Height=0.19inch, Length=0.44inch, Max Output Current=4A, Mount="Surface Mount", Number Of Outputs=2, Number of Pins=56, Packaging=Tray, REACH SVHC="No SVHC", RoHS Compliant=Yes, Voltage - Output 2=5.5V, Width=0.35inch
U11: "5W Cooled 9XX Multimode Lasers in 14-Pin Package"
U12: library part CSD18511KTT, "40-V, N channel NexFET™ power MOSFET, single D2PAK, 2.6 mOhm", Supplier Part Number 1=296-50718-1-ND, Built_By=EMA_Jessica, Copyright="Copyright (C) 2018 Accelerated Designs. All rights reserved", Manufacturer_Part_Number=CSD18511KTT, RefDes=RefDes, SourceLibrary=TI_2019-05-10, Supplier 1=Digi-Key, Type=DEV, Vendor="Texas Instruments"
U19: "A High Efficiency TEC Controller Solution", Supplier Part Number 1=ADN8831ACPZ-REEL7CT-ND, Built_By=EMA_UL_Team, Copyright="Copyright (C) 2018 Accelerated Designs. All rights reserved", Manufacturer_Part_Number=ADN8831ACPZ-REEL7, RefDes=RefDes, SourceLibrary=Analog_2015-01-06, Supplier 1=Digi-Key, Type=DEV, Vendor="Analog Devices Inc"

## Free pads (board coordinates)
  round 250 hole 106.3: MNT(1633.86,6043.31) MNT(1633.86,7972.44) MNT(3917.32,6043.31) MNT(3917.32,7972.44)

## Via types
v1: diameter 20, hole 8, Top Layer to Bottom Layer, 475 vias
v2: diameter 20/20/20/20/20/20 (per signal layer), hole 8, Top Layer to Bottom Layer, 60 vias
v3: diameter 35.43, hole 11.81, Top Layer to Bottom Layer, 9 vias
v4: diameter 19.68, hole 7.87, Top Layer to Bottom Layer, 7 vias

## Nets (pads, with @x,y where several pads share a name; then routed paths per layer and width w, separated by ;. In a path a pad name is that pad's centre, name@x,y a point inside that pad or via, vN(x,y) a via of type N, cw(c..) or ccw(c..) an arc to the next point about the centre after c; other vN are vias at no path point)
2V2: C72.2 C73.2 C74.2 RS2.2 U2.8 U9.A1 U9.A2 U9.B1 U9.B2 U9.C1 U9.F1 U9.F2 U9.G1 U9.G2 U9.H1 U9.H2 | length 1650.7
  Top Layer w10: v1(2665.5,6394.5) v1@2667.75,6394.5 ; U9.F2@2764.5,6639.5 2784.51,6619.49 v1(2791.5,6619.49) ; U2.8@3544.18,6194.89 3598.68,6194.89 3602.29,6198.5 v1(3605,6198.5) ; RS2.2@3719.5,6047.5 3719.5,6085.29 3729.5,6095.29 v1(3729.5,6098)
  Bottom Layer w10: v1(2791.5,6619.49) 2764.5,6592.49 2764.5,6367 3101,6030.5 3324.25,6030.5 3333.75,6021 3651.5,6021 v1(3677,5995.5) ; v1(3605,6198.5) 3704.5,6099 3728.5,6099 v1(3729.5,6098)
  other v1: 3677,5955.5 3707,5955.5 3737,5955.5 3722,5974 3662,5975.5 3692,5975.5 3752,5975.5 3707,5995.5 3737,5995.5 2685.5,6409.5 2725.5,6409.5 2665.5,6424.5 2685.5,6439.5 2725.5,6439.5 2665.5,6454.5 2685.5,6469.5 2725.5,6469.5 2665.5,6484.5 2554.5,6897.5 2584.5,6897.5 2614.5,6897.5 2539.5,6917.5 2569.5,6917.5 2599.5,6917.5 2629.5,6917.5 2583.5,6937.5 2613.5,6937.5 2643.5,6937.5 2568.5,6957.5 2598.5,6957.5 2628.5,6957.5 2658.5,6957.5
2V2_I: R27.1 U2.2 | length 205
  Top Layer w10: U2.2@3374.82,6169.3 3374.67,6169.15 3333.15,6169.15 3324.5,6160.5 3324.5,6092.1 3353.18,6063.42 3367.32,6063.42 3377.1,6053.64 R27.1@3377.1,6039.5
2V2R: RS2.1 TP2V2.1 U2.7 U11.10 | length 242.2
  Top Layer w10: U2.7@3544.18,6169.3 3635.2,6169.3 3640,6164.5 3651.06,6164.5 3657.5,6158.06 3657.5,6145 3683,6119.5 3713.64,6119.5 3719.5,6125.36 RS2.1@3719.5,6161.5
  other v1: 3683,6216 3713,6216 3743,6216 3668,6236 3698,6236 3728,6236 3758,6236 3683,6256 3713,6256 3743,6256
3V3: C3.1 C14.1 C15.1 C21.2 R65.2 R69.2 U1.3 U3.26 U3.30 U5.5 U10.5 | length 1859.5
  Top Layer w10: R65.2@2745,7286.69 R65.2@2745,7288.65 ; R65.2@2745,7290.62 R65.2@2745,7288.65 ; C21.2@2820.5,7813 2813.5,7820 2788.5,7820 2776.48,7832.02 2743.98,7832.02 U3.30@2732.5,7843.5 2684.5,7795.5 2684.5,7349.15 R65.2@2745,7288.65 ; v1(2952,7597) 2953.45,7595.55 2993.42,7595.55 2989.5,7591.63 2989.5,7554 2996,7547.5 C15.1@2989.5,7547.5 ; v1(3094.28,6664) R69.2@3123.26,6664 ; U1.3@3676.56,7926.91 3684.35,7934.71 3711.51,7934.71 3717.31,7940.51 C3.1@3749.81,7940.51 3749.81,7947.01 3747,7947.01 3746.5,7947.51 v1(3746.5,7968.5) ; U5.5@3860.13,7261.4 3868.01,7261.4 3874.82,7268.21 3874.82,7275.82 3886,7287 v1(3886,7290) ; v1@3886.28,7290 C14.1@3923.91,7290
  Layer 3 w10: 2887,7412 2917,7382 2917,6841.28 v1(3094.28,6664)
5V: C9.2 C17.2 C18.2 C51.1 C59.2 C62.1 C64.2 FB1.2 FB2.2 Q1.3 Q2.3 R26.1 R35.2 TP5V_NEW.1 U7.5 U14.A1 U14.A2 U14.B1 U14.B2 U14.C1 U14.F1 U14.F2 U14.G1 U14.G2 U14.H1 U14.H2 U19.17 U19.18 | length 2593.1
  Top Layer w10: TP5V_NEW.1@1641.5,6383.5 1655.31,6383.5 1670.31,6368.5 1675,6368.5 v2(1708,6335.5) ; U14.F2@1806.5,6538 v1(1825,6519.5) ; v1(2896,7358.5) 3015.38,7358.5 3080.5,7423.62 3080.5,7459.38 3205.12,7584 v1(3293,7584) 3293,7609 FB1.2@3291,7611 ; FB2.2@3427.25,6251 3427.25,6249.03 3430.12,6246.16 3432.09,6246.16 3443.01,6235.24 v1(3459.5,6235.24) 3459.5,6125.42 3513.42,6071.5 3589,6071.5 3594,6076.5 3619,6076.5 R26.1@3628.5,6086 ; C62.1@3872.5,6292 3900.46,6292 3916.18,6276.28 3916.18,6268.41 U7.5@3922.99,6261.6 ; v1(3888.6,6261.6) U7.5@3922.99,6261.6 ; U7.5@3930.87,6261.6 U7.5@3922.99,6261.6
  Bottom Layer w10: v1(1825,6519.5) 1977.62,6519.5 2003.31,6545.19 2003.31,6657.53 2704.29,7358.5 v1(2896,7358.5)
  other v1: 1656.5,6835 3205.5,7077.55 3235.5,7077.55 3265.5,7077.55 3190.5,7119.55 3220.5,7119.55 3250.5,7119.55 4560,7405 4600,7405 4620,7415 4580,7420 4560,7430 4600,7430 4620,7440 4580,7445 4560,7455 4600,7455 4620,7465 4580,7470 4560,7480 4600,7480 4620,7490 4580,7495 4560,7505 4600,7505 4620,7515 4160,7570 4200,7570 4220,7580 4180,7585 4160,7595 4200,7595 4220,7605 4180,7610 4160,7620 4200,7620 4220,7630 4180,7635 4160,7645 4200,7645 4220,7655 4180,7660 4160,7670 4200,7670 4220,7677.5 4357.5,7958 4312.5,7973.5 4338.5,7974 4741.5,8041 4771.5,8041 4756.5,8061 4741.5,8081
  other v2: 1754.06,6183.47 1774.06,6198.47 1754.06,6213.47 1774.06,6228.47 1754.06,6243.47 1708,6275.5 1728,6290.5 1708,6305.5 1728,6320.5 1656.5,6775 1682,6775.5 1636.5,6790 1702,6790.5 1656.5,6805 1682,6805.5 1636.5,6820 1702,6820.5 1682,6835.5
12V: C12.2 C13.2 C60.2 C61.2 C68.2 C69.2 J6.2 R9.2 R61.1 R67.1 TP12V.1 U6.6 U6.7 U6.8 U6.9 U9.B5 U9.B6 U9.B7 U9.C7 U9.G5 U9.G6 U9.G7 U14.B5 U14.B6 U14.B7 U14.C7 U14.G5 U14.G6 U14.G7 | length 433
  Top Layer w10: R61.1@1695.43,6961 1722,6961 1882.75,7121.75 ; 1892,7159.5 1882.75,7150.25 1882.75,7121.75 ; TP12V.1@1911.5,7031.5 1911.5,7093 1882.75,7121.75 ; R9.2@3257,6044 3257.09,6043.91 3257.09,6011.41 v1(3259,6009.5)
  other v1: 3195.5,6525 3225.5,6525 3180.5,6545 3210.5,6545 3195.5,6565 3225.5,6565 3402,6785 3376,6785.5 3350,6790.5 3440,6790.5 3365,6810.5 3390,6809.5 3439,6810.5 3350,6830.5 3397,6829.5 3440,6830.5 3373,6835 1842.9,7172.05 1882.9,7172.05 1922.9,7172.05 1962.9,7172.05 1862.9,7187.05 1902.9,7187.05 1942.9,7187.05 1842.9,7202.05 1882.9,7202.05 1922.9,7202.05 1962.9,7202.05 1862.9,7217.05 1902.9,7217.05 1942.9,7217.05 1842.9,7232.05 1882.9,7232.05 1922.9,7232.05 1962.9,7232.05
  other v2: 2186.68,6517.41 2158.6,6517.5 2212.68,6518.91 2196.5,6537.5 2172.37,6539.63 2259,6681.5 2279,6695.5 2257.5,6707.5 2279,6720 2258.5,6736.5
AGND: C3.2 C7.2 C8.2 C10.2 C14.2 C15.2 C16.1 C21.1 C52.2 C53.2 C56.2 C57.2 C62.2 R3.1 R17.2 R28.1 R37.1 R39.1 R41.1 R42.1 TP_AGND.1 U1.2 U2.4 U3.27 U4.2 U5.2 U7.2 U10.2 U11.5 U19.12 U19.Pad | length 1606.6
  Top Layer w10: v1(2820,7728.5) 2820,7762.5 C21.1@2820.5,7763 ; v1(2910,7547) 2932.5,7547 2933,7547.5 C15.2@2939.5,7547.5 ; U10.2@3103.13,7631.5 3104.38,7630.25 3150.25,7630.25 v1(3151.5,7629) ; v1(3171,7821) 3233,7821 3236,7824 3241.04,7818.96 C7.2@3242.5,7818.96 3266.12,7818.96 3279.85,7805.24 cw(c3272.78,7798.16) 3282.78,7798.16 3282.78,7767.08 ; C10.2@3317,6232 3323,6238 v1(3323,6259.5) ; U4.2@3334.37,7736 3326.49,7736 U4.2@3319.68,7742.81 ; U2.4@3374.82,6118.11 3403.97,6118.11 3421.09,6101 v1(3423.5,6101) ; C16.1@3555.5,5985 3555.5,6013.05 3561.36,6018.91 3563.62,6018.91 3572.4,6027.69 3572.4,6039.5 3602.5,6039.5 v1(3605,6042) ; C8.2@3560.5,7776.5 3592,7776.5 v1(3592.5,7776) ; R17.2@3570.53,6273.5 v1(3570.53,6315.03) ; U1.2@3676.56,7889.51 3677.06,7890.01 3749.31,7890.01 C3.2@3749.81,7890.51 3754.13,7886.19 3778.81,7886.19 v1(3783,7882) ; v1(3704.5,7224.5) 3705,7224 U5.2@3751.87,7224 ; C62.2@3872.5,6342 3878,6342 3920,6300 v1(3925,6300) ; C14.2@3928.5,7245.5 3918.07,7245.5 3917.57,7246 3974.5,7246 v1(3975,7246.5) ; R37.1@3979.5,7736.5 3986,7736.5 3979.75,7730.25 3979.75,7681.75 C53.2@3980,7681.5 3984,7677.5 v1(4010,7677.5) ; R39.1@3979.5,7803.5 4010.96,7803.5 4011.96,7802.5 v1(4012.5,7802.5) ; R41.1@3983.31,7621.83 4015.83,7621.83 v1(4016,7622) ; v1(3986,6298) 4038.13,6298 U7.2@4039.13,6299 ; v1(4062.5,6401) 4065.5,6401 4066.9,6402.4 4110,6402.4 R3.1@4110,6400 ; v1(4425,7460) C56.2@4455,7460 4470,7460 4480,7470 4480,7554.14 4499.14,7554.14 C57.2@4505,7560 ; U19.12@4509.84,7952.52 4509.84,7969.84 4520,7980 4535,7995 v1(4535,8000) ; v1(4624.5,7759) 4625.04,7759 4626.54,7757.5 R42.1@4654.5,7757.5 ; 3282.78,7767.08 ccw(c3292.78,7767.08) 3285.69,7760.02 ; 3282.78,7767.08 ccw(c3292.78,7767.08) 3285.69,7760.02 ; 3282.78,7767.08 ccw(c3292.78,7767.08) 3285.69,7760.02 ; 3282.78,7767.08 ccw(c3292.78,7767.08) 3285.69,7760.02 ; 3282.78,7767.08 ccw(c3292.78,7767.08) 3285.69,7760.02 ; 3282.78,7767.08 ccw(c3292.78,7767.08) 3285.69,7760.02 ; 3282.78,7767.08 ccw(c3292.78,7767.08) 3285.69,7760.02 ; 3282.78,7767.08 ccw(c3292.78,7767.08) 3285.69,7760.02 ; 3285.69,7760.02 3291.21,7754.5 ; 3291.21,7754.5 ccw(c3298.26,7761.59) 3298.26,7751.59 ; 3291.21,7754.5 ccw(c3298.26,7761.59) 3298.26,7751.59 ; 3291.21,7754.5 ccw(c3298.26,7761.59) 3298.26,7751.59 ; 3291.21,7754.5 ccw(c3298.26,7761.59) 3298.26,7751.59 ; 3291.21,7754.5 ccw(c3298.26,7761.59) 3298.26,7751.59 ; 3291.21,7754.5 ccw(c3298.26,7761.59) 3298.26,7751.59 ; 3291.21,7754.5 ccw(c3298.26,7761.59) 3298.26,7751.59 ; 3291.21,7754.5 ccw(c3298.26,7761.59) 3298.26,7751.59 ; 3298.26,7751.59 3308.32,7751.59 cw(c3308.28,7741.59) 3311.3,7751.12 ccw(c3314.68,7761.59) 3312.16,7750.88 ; 3312.16,7750.88 cw(c3309.82,7741.16) U4.2@3319.68,7742.81 ; 3312.16,7750.88 cw(c3309.82,7741.16) U4.2@3319.68,7742.81 ; 3312.16,7750.88 cw(c3309.82,7741.16) U4.2@3319.68,7742.81 ; 3312.16,7750.88 cw(c3309.82,7741.16) U4.2@3319.68,7742.81 ; 3312.16,7750.88 cw(c3309.82,7741.16) U4.2@3319.68,7742.81 ; 3312.16,7750.88 cw(c3309.82,7741.16) U4.2@3319.68,7742.81 ; 3312.16,7750.88 cw(c3309.82,7741.16) U4.2@3319.68,7742.81 ; 3312.16,7750.88 cw(c3309.82,7741.16) U4.2@3319.68,7742.81
  other v1: 4535,8025 4535,8050
  other v3: 4460.63,7820.63 4500,7820.63 4539.37,7820.63 4460.63,7860 4500,7860 4539.37,7860 4460.63,7899.37 4500,7899.37 4539.37,7899.37
CSb: R54.1 U3.12 | length 142.6
  Top Layer w10: U3.12@2932.5,8043.5 3010,7966 3035.24,7966 3037.74,7968.5 R54.1@3034.74,7971.5
Ilimc: R38.1 R39.2 U19.1 | length 896.2
  Top Layer w10: v1(3866,7774) 3867,7774 3889.5,7796.5 3889.5,7802 3891,7803.5 R39.2@3929.5,7803.5 ; U19.1@4592.52,7791.1 4592.52,7754.69 4607.63,7739.58 v1(4607.63,7737.04)
  Layer 3 w10: v1(3866,7774) 4570.5,7774 4607.46,7737.04 v1(4607.63,7737.04)
Ilimh: R40.1 R41.2 U19.32 | length 830.4
  Top Layer w10: R40.1@3893.31,7621.83 R41.2@3933.31,7621.83 3933.31,7588.23 3936,7585.54 v1(3936,7585) ; U19.32@4568.9,7767.48 4568.98,7767.4 4568.98,7747.73 4583.5,7733.21 v1(4583.5,7730.5)
  Layer 3 w10: v1(3936,7585) 4013.5,7585 4127,7698.5 4334.09,7698.5 4335.09,7697.5 4551.95,7697.5 4583.5,7729.05 v1(4583.5,7730.5)
IN1n: R11.1 R12.2 R34.2 U19.3 | length 166.9
  Top Layer w10: U19.3@4592.52,7830.47 4636.03,7830.47 4637.06,7831.5 4650,7831.5 4657,7838.5 R11.1@4657,7844 4657,7849.5 R12.2@4657,7889 ; R12.2@4657.5,7889.5 R12.2@4657,7889 ; R34.2@4704.5,7888 4703.75,7888.75 4657.25,7888.75 R12.2@4657,7889
IN1p: R32.1 R42.2 U19.2 | length 149.6
  Top Layer w10: U19.2@4592.52,7810.79 4605.33,7810.79 4608.62,7807.5 4649,7807.5 4660,7807.5 4667,7800.5 R42.2@4667,7795.5 ; R42.2@4655.5,7800 4657.25,7800 4664.25,7793 4664.25,7792.75 4698.5,7758.5 R32.1@4704,7758.5